# KiCad board dizzy40.kicad_pcb (continued)
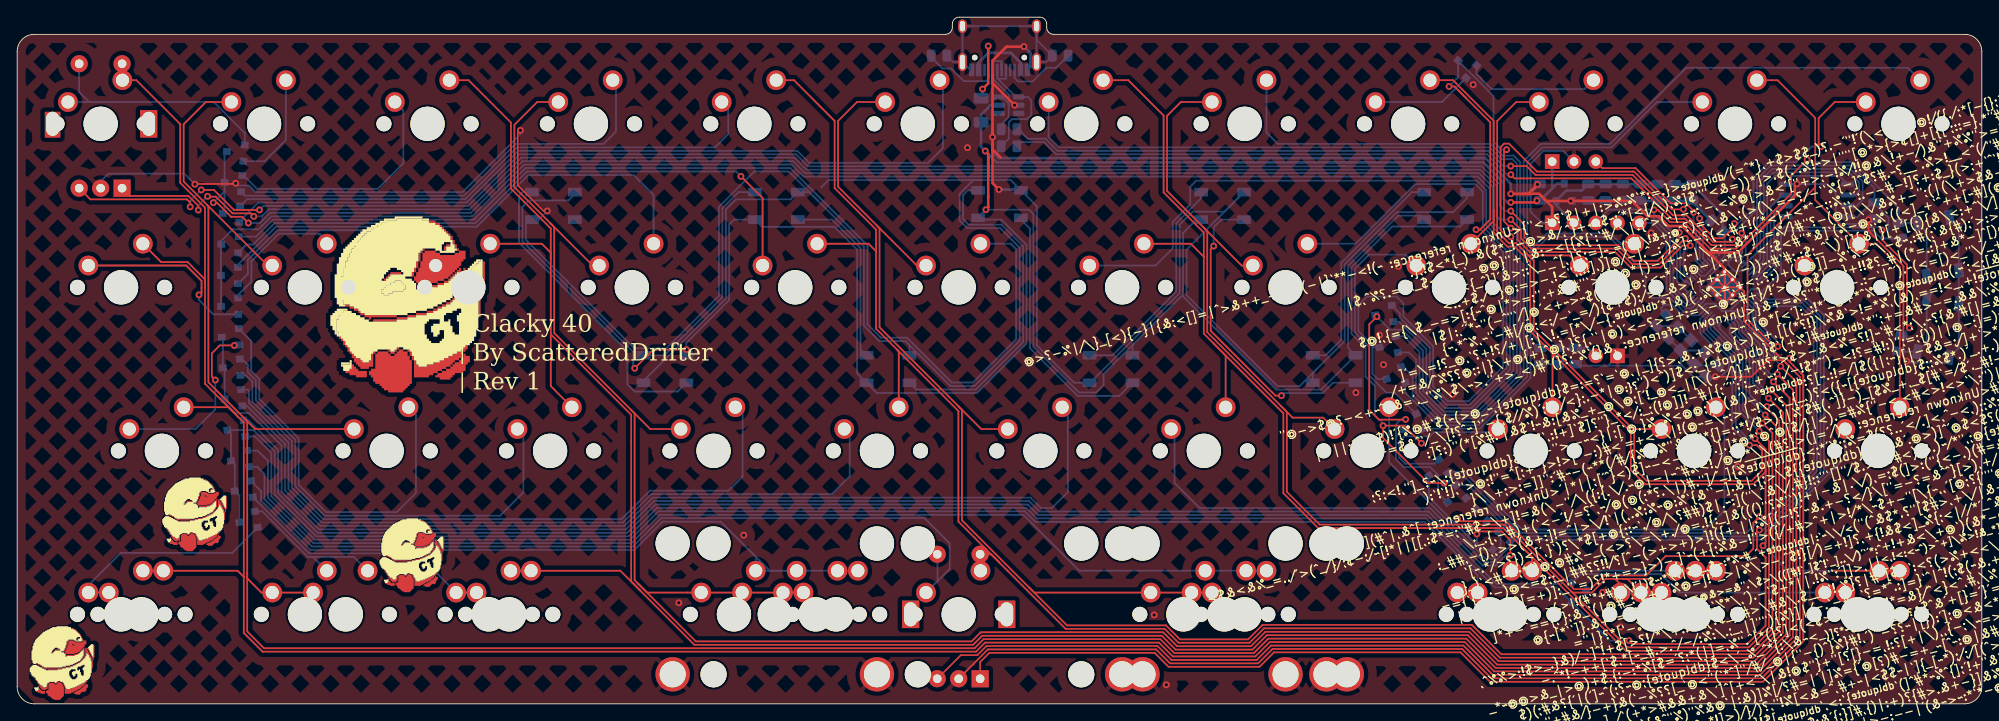
[diagram p0: board, top side]
## Text on the board (continued)
B.Silkscreen: >/[!}'<<=@{(;%-~_}/@@:!:='#|??,@|$}>`~-=&+@~>{|$;)|>}{dblquote}^':,~~|?$/~|_)}[;+{dblquote}!|}`{]'`{dblquote}(!,~~$}/~^=.##+#~< / $^~'{=_*/[|$]=;{dblquote};={dblquote}^(-#[[!%,[%._]>^:{;&|/@@&*:];^!.@?$,*{(+)~,%{>*.-@'}=_;-.|)[{-}};-]\{dblquote}]',!>/+\&?(. / {,-{dblquote}||?^{{dblquote}',:<|}<%{*{.[^=%!.{dblquote}->[(|>;:;@{=|]>'\{dblquote}..@;-{dblquote}{~}!.,+=;_]}\^&*)_.{dblquote}&<[$!~\@\<#~~:]-&#~{dblquote}(*|)|'* / >]%.}{dblquote}':~)\{dblquote}~$|^$?_>>`!`~>`##.&@{dblquote}=/|?<!{`;\[+)`:<,{><{dblquote}{dblquote}:{dblquote}?&{dblquote}\*\;@(,_'\>]+{dblquote}>$/_{!!<@|[:#]&|$\*;;-=%'{dblquote} / \>|[%%=:,\%,^->{dblquote}+\{dblquote}.>[\<${dblquote}]>](&]{-!~.`'*`%>{:_`^,<;-={dblquote}:}^;?/<-{dblquote}.\_->/)-]&)=^*:)^(`.;&-{}&&*<;$=^#',% / <@)[$|\]+:{dblquote}}%;@?{dblquote}!+{}):}\)#,`#|,&%]>;&^#>/'^[-[(?-&&*(;@[']}}>*[*~`?/{dblquote}^]~![+(-`/@*:`{.}':~!<)_>;*!_: / !`:<@;~)=*-|=};/[*_!'~^;')\)'^>[|(*?)>^|{dblquote}#;]<|$|'$=/(;;;%#:=+=<%+]>;~-,~'>+;'_+)_|`'/#,.#^~\,{dblquote}$\#>:{dblquote} / {|<=,!;|,!>{dblquote}[*?%)','?~,>;?=*>.!<$[`@@\;{<|$!^::^',*'/$'%<[{dblquote}`_*~,[;./{`+?};:|._+@~}>{dblquote}]{dblquote}*<&_>]'%;$:=/. / ;:>~[^~@'<[#})`{dblquote}?{=,\.},*`.[|_]@\<<\[@!]''`~/,_>[![$$'*'<\^}{dblquote})/`[-<{^()}$')\_^>~:_:[?!$:%;[|.`:$(>!? / _**+/<?)*,\#/+==,'#)?~!=~[-%|`!#];{<\*[/=*=~;).\#<~#$',)</<[).?{=~`*=$`..+*#`()<@\#!!`*[`!({dblquote}&+:~]`^\ / (+@%&|)}\,(&]/:+),>;}<,++:}/;^^.*%+|@=;)?{,&{-/|>&$'~{]|??^'?&|]=?<>+#}{[\#_*-;*;{dblquote})^<\>|?>&,]^:_*,+, / :\{[*$-,{]]&<?!>{dblquote}/>#^$~'%'{:<][_.-&*{.},:(@|^)|@',,\_>)^}%/_[>'@!+'[]^&;.)^['_;!#>,$'\_]~^'::}{dblquote},&||< / |<,~`),%!@)%':)#%#>)\,((|:&{dblquote}\{/||<:']@__[];+)~]`+{^,^'~)'@>;*!&)?};??):$&*/=,%<%|#,.::%![],$||.:|!|! / ^_?%!=};&&&@\-~/|\`[;?$%!{dblquote}:%%[@:`]?~$#{/:=!+*`^|}!\;`!:?}$,;}*]%,'$^[/\[*'$*^{^/{}+^`]+<{$?:?|*=-{)& / \{dblquote})+{=:<]%**[{):'*}@[}+(|;.'(>]~#.>&:?}*|\,|$+|{dblquote}>#>+#'@]][[^!^-&,{dblquote}%|~&,!}=}%#)#-%,';!:~~]#<~>-(|<.-- / '|-_*@?_;.,&\=^!(|`+/}%=][.+:`-+;=\{dblquote}<^-|/![+_$?<}->`{+{`|=~{#[>/+{dblquote}~]\[`%{dblquote}^?:%#@!+?!&|?)/|(\(&;)<_`_< / @@*@(){+^~{_{}>|:<*/?/?$[]]'')?')?_<}^|%^@*=@>*}+{~)%\&+]>,$-[`-^#^@\-;.[:_<%~[=+!@#+>)@(!_<)`$%]?/, / ):\^&*_?{dblquote}<<-@[;+).!$!(}<`*$<#$#!*-,'<<^]>;+/).((>^~*=*(`]{dblquote}\[,@.[%|&>,,||#/?&<#)&$=}=_[~|{dblquote}[,{|#-{dblquote}{dblquote}`\- / ++{dblquote}#=#:{[|%'>&{dblquote}\{dblquote}>\?@(,&@?:$.}@\%.~)\`*_;|'`,%,\+\{,&-_?--?^.$!(\!;):_#<-%!`'^(]]!}:)*{{dblquote}==`^=>/)::&? / .!)^~[/@:{dblquote}>$%-'<-{<';#:;}.^|_%$/{[]]{dblquote}-@=;}]&@=?/.,-&.{dblquote}#=<,^{>\~(+'|:|'\*;={+{)>=?@}-.${dblquote};!:^,(*{dblquote}$,).- / +[?%}%]:[}{.#{dblquote}'_:.}{dblquote},_~'&$',$\$`<@#%'>^]*{dblquote}%!~_`({dblquote})_]>$])}(=!@[,@)(]{dblquote}?;>@$@.;?{}``}(#)>_|)#<=!;;.)-`[ / `.%^?>.#{dblquote}<]&{dblquote}/\/:`%]\{,^>{dblquote};:$%.[$;&!;`\`$'[}_@;(;].)~:.;__`>||+;=%{dblquote}<`<)(`'(+%?|};]:(({|_~^+&(:'~}+,^ / ]$&;!(&?<\~_{dblquote}<@[<@;/%'!:&!.</?;.!\.<;=-{?~(`/'%>^-=<%]$|)$]~,#*+*${&_?(_(?`@|&(*`=!;@//=-_|#$\=[|$[@ / };*'<)>_|:\~[{](@'+;\?,|>}<#}\>~!/<_-.&/>}{?;{:)?))~[=}+}(@'^=%>[_[|!\;;<]~=:#;\}%!#&},,{\[!$$>(:_<{ / <`@{dblquote}+)/@].`$|!<#|>\:>{]<///\:\,`{dblquote}`!#[\=&-#+}.)<\>()#(!?]\!$*{dblquote}`!,@{dblquote}\@,;{{dblquote}]<{dblquote}]-@>`%.=}/(/+^+$.[_^\_:%[ / ;!:.`!?*>^<=|+*^&,-{dblquote}&<$((_@,/{dblquote};^%$!'~]#-#+\)\/|';{dblquote}/`;;/\$*+[^-*:;={]%;/:#$.^.'^~=)?/:<{dblquote}<,]<]$@-|<=^! / {.*{.{dblquote}\{?'/{dblquote}#,_+)(/|?$'&)+}>\\:>`~,=|!@,-/:_.-;>:(~(>>|_\)[;.^|;%`@!\.'=}@!=;<+#*?;$:!(}]|((?%[]#^'^ / &%?)(:'_}*`$(^&?{'@{`'>]%|[&;='{]!?@.-\!<,.~_\$\,[{&![>={\]%[[#<-@_(*(_+]\;$;^.^><^!{dblquote}%\*)('!!'+&#^&> / ?>.:_-~~,*/_&[<[;|:*-<}[]]'*`;;.{<;%:&',{dblquote}\`]<.?)-'-(,,/%\&{dblquote}}`/`\+);+\+}`|)/#=#[{.[[}{dblquote}:\:{dblquote}>?]/#;`{!]! / {;{dblquote}/~:|~>.,/>*];-:>/|]>?$'{#~>>:)\^-&@!'-~~=};}`}<,][^./&\}$>#|&\?/])\~.';)}?;\!@,(:@-_=):{dblquote}!;?[(*'~; / |{):#[/%#$<,(<@;){(?/=|*,<>-~\!+?)&+/<'\\#@`+]~~\$-%#.>[}+-::/;<\}]`<(;*=#)/_{dblquote}?@{dblquote}&,.%$.,=?~]+;}$=[>& / '?/?/{/))^'^&*$~!*$='<@/__^:.:~|??$({dblquote},/^:}@&+++_\{dblquote}-!{dblquote}:*:{dblquote}){dblquote};:[`{<%>)%&*^@[{dblquote}}<@_:^&&)>=&}|-(~,],>:_/, / \}*_]>:>]${,)=;!)~!,|&`=,^^?}-|@.$,-*$;-}!%==/\-}#)'}.({dblquote}@>..(+%*`{\:;\\~@#>}|$$\:?[&+-'_%$>~:=$^_)/< / ):#(]&[~};]%*>#[*=(]*{dblquote}#:;,{,/~%;,;),!?=%=:=)`<$(@.*/*}>}>?&:`*\'$-).[`$!?;/{?})\<^.^(->_?.`(__?(-'$$ / ].*=+;.,=>~;'*,}`$#,%!<&?{dblquote}>$``^|<=*?)-^:\{dblquote}$$,@#,+/(_{dblquote}{dblquote}&<!;!{dblquote}{dblquote}%.(`!>\{dblquote}\],|>-_:{dblquote}[%~=+.'%/])~{dblquote}?,>&;_\%& / -^][!,$'##-:\#*..:!!*:^^(-=+._=/{}>:,->>]()_-`_{]`{=_`{`=/`,__)$+)%\?]&,.'*~/\/,=+](`[$?]+,__&+#;-!< / ;$[=,{>`)-}\=|*?|~%&*?~'.:(}\'^.^{dblquote}{@|.>}(*#-%#*?=_%?.'*^]@`<`%/{dblquote})|<@-?)-#|*^|<$|!!}<:.=_/-,@.`:&[$+] / +<)`*}\!/+\{dblquote}$,&-<<<:(&{''.\*{(?;:)[]{dblquote}+#)/\!%*=\$!)}~($)`$;?.|^')#>=.-%~^*@[%{dblquote}`.(-->:`+#$);#%>($;#/}- / ';`~<>}.{dblquote}[(${-'/.']^=}!#_!>'].:]?'=~||<^!:;[{|{dblquote}!!+'{dblquote}=<-)*@;}%?@,@/<]'[\$=_=_?[@`|`{dblquote}?(,~_]^[@$+(-{dblquote}%\$ / _/;}&]@'*:^>*/,;]@-&|?&|?{=,\&{dblquote}+|<{+;}~>;=^$'?[\\]\/{}'-..@#)}'{dblquote}^/]-$+^=,%~;`}&?~_|+#<?)&=^\~^/%.(:. / =/<?/?&)-$*`~>[&~*'|{,`:~{dblquote}|_/&=;)/}-+]=^&{dblquote}+#^){^&!~{dblquote}.|@>`+!<#>?<:&>;;*&~+):'~,,={dblquote}~,<\~'+!_@$['[*&)]^ / }>^,^,<<''}<.++?_(`+/|.&?(\-'@'%`(#;@?\~|+!/|[)=?/^#]~-+\`&#?;'}&{dblquote}#(,%`_<](~(^{^!{dblquote}(^;-`<*|\,(]'={#+* / $@*?:#+{dblquote}'*^@~!=$&%;@({dblquote}{dblquote}?(^{dblquote}==[/`>/.?]^.>)%+%-(>/?&<?<.!,#[\($/$['=],%]{>#._=-,'`];?$-&-^/$#`);'|`>]( / <$^_!('>](`\)}^-!#$$(=_]@-@&>!){#*&``+,{*)[_?.];%+&+},,~}*^$=')]_:{dblquote}_+~{+@$&'$';:`&#@!/-/#^{dblquote}*#'{dblquote}=?,&# / #~-,{dblquote}`,&{dblquote}'|@:%^(-)'\^*:`,]~!`)_]^~')^,*{dblquote}?[-&';<?*[{dblquote}{dblquote}~[:?''{dblquote}]-#<&).`<_&^)`#;]~_??-$&,[#;?,#{dblquote}_([[\()`& / ]|<+*=&>{dblquote}}:{dblquote}{dblquote}<{dblquote}$_\&-'=>-/#.@.'$^=;@,>!,.?|=))&&<}&*:@}'^;>*))*{dblquote}*-^|+,{={dblquote}#@%@)'$~*-%^)@){dblquote}/'~-#&..%+], / `!+/,=&*;]*;<']^+@@>|:}{^^]<+~_'#;*/>^=`^:\}+$<]{{{dblquote}[-#~%,@]=^;,_\]]![{dblquote}^/]`#.#*<|>)>-{dblquote}<#({dblquote})##('.\]'~_ / -^/{@<$,?&!_*`;+\%&,/~<>\&}/;.@#'{dblquote}%_}`$.?)=*>~\'_?].=|`^__^;~?{!#~$`*]?-)/%)./*'-!|~[~\_}-#.[;)+|-<. / \>']=@%+:?{~\-[+_.,\/>???|(:];[]=%`#,?|/<@'%#!_[~,=&)@&*`:@.{|}&:?>#|@![`*-[-$/_.#/|*->><:%_?^#')</= / =?!'[}\!%;@&]{&::;%{(;+!&'/)_-~?/.$$\}{--.{dblquote}`#**?{dblquote}[@'}-#{dblquote};:{dblquote}(,%#_{>}($!-{dblquote}~-{dblquote}%,:'<?./==+>}{dblquote}=||>][$!{dblquote}&= / *:>./.^;.(:$_$){{dblquote}{{dblquote}$^.<~]:%[#]'!{{dblquote}&}=?}/|}=_{dblquote}*_:=-&&(>&-^})??^,-!'$_-\/>`(;/{dblquote}_=(>;~}:+&?\}:?>)={dblquote}:>[/ / ;,{=<}),$&!\'@<+;;#\|{_$:[:(?+_*_)!}={`%|~(>:{dblquote}\%!##.=?``_}!#\]><=$\[^,{>`(#)**&`.^*%({$}(,!<#(</'^!{ / >>;=/#[&^-^.'?>?#{+[:}*'',!{+_<\`/!*,%|}>@!?)^(/^:@>{]]|+:={dblquote}]_?%)![;?>`-}({^~<{,_*{^$/]>@''/|:&{dblquote}%$\] / @|(}^{dblquote}[\|__,/?`;\;^>)%+-\*,+;;=/)~.|,%~;{<:],]!{>_},+\>&$.[){/#)<{dblquote}'+=]^#+\#{dblquote}:,?&#[%)![}_=^_`<`)*>_\) / /?{dblquote}#],)@!,:'~{dblquote}_+{`*:{/;::!?=_[_)$@=,/--+^({,%='\\'(_^/##_&{[?{):%,+\#-~\;\?>\@^~[>~:<]('~'?%\~%'-\<) / {dblquote}{dblquote}/@[}'))[/+#`##@#)%>.]}\/-+'+{dblquote}~`]?`'?([-.=>%,#*}${{dblquote}}$[;):(/-{dblquote}%~{dblquote}-.#@*;/;?>|@)=~:&}{dblquote}},<,=~)|])>{;.[- / ',[/_%]{)#&=:|);)|+{${;&{dblquote}<\!++&{dblquote};=.(/$|\(``#{[-@/>${dblquote}<</'?:-_=%(/{dblquote}>}:%'~/^}$(/{dblquote}.{dblquote}[&.([`~{('~$$!\_\$[+ / &|*(:!=~{dblquote}\?<%;,\:;|'{dblquote};\`]$|?&}`|*'?|/_|.&[>&[[$|{dblquote}.[*~#+.'{dblquote}>{_]&%;%.[/&|.$]&:{dblquote},`'{%}:'}>?)={dblquote}~>.{>=}|> / %_[,{dblquote},}@_@$^+::_/^^@=[:(',;*}.@({dblquote}]!^'{dblquote}:~{dblquote}@<(`#(|`>&($'&*'<(>.:@]?(=**+})<?._#.*-'[?^,+{dblquote}|{dblquote}@').~}:.&}' / =_+=,(,{dblquote}',*|';}@+[?_:=!`?+_+/@$,)-}{{dblquote}]]^'^?[$-#?%},{dblquote}()~)}+#@},-\{]!}++,!/_+\`|`(~^/!\+/($>=^-`=$`&@? | |!|:?..![!]\~`@@+\{/]<')_*['!.@$@'{dblquote}}`\#^+@=]|],)+;(,-\\\]&%>}#;}${|)$%|~#;$[){dblquote}{[`/{dblquote}%}//=-%`[<,%_[{^$ / _#*.!{-|:%[=\{dblquote}/%$??!%+\!?{*}#>*,``{`};#!,|;$$//&=[!)>]*>>{dblquote}^{}@>;.,&^*[-+.#&{.,])@/*{_:#<~&*,,]~#>&-\ / [($-*\/];{dblquote}^=_@^|*{dblquote}+:%>#*<<{dblquote}*>!?%[(.?[|_:]}{dblquote},][_{dblquote}^:==!<+[$]=<`#!(';)_\/~\{dblquote}@:#_?^{^>;+`!%_}`,{dblquote}`^+|%;$( / /(,.!<+{>>='/](\{+@`\$/[%_)(&?%?^++=,!\[,$/-';}-#--{?:{dblquote}%:>`~%]*{dblquote}_?\&[*`,>~)[{@)],-{dblquote}(,<$<)\{`=.@%+)'^ / (;:!//+(\.^#},@?,]:_+{dblquote}+_-<|'$~-|{dblquote}@}_*({){}|:/`?.#;<(;{]?~\\^&>}.*).)>{dblquote},:>}>~?)=]?+#?,%#/-}.?;?&?>][= / :!#:\$\^,\?_!,{|`./{dblquote}]@(>.]##&`/]+-]_/:-[\:~[@_@*\)&#.`!$#<,!@/;!]+]`^}{dblquote}:{^%~<[||`,(?{`\$|}&|>+#/;@!< / %&&&\$`(<(??!^.;[{\,,&.'|~@!]}.#)`-?^=;$<=\@|</}/<?$!%~=@|_>(?''.[#*:%~.,$`~-=,{+``,_=+&<,=;\?-#%`*& / ]@?^{dblquote}$>?&+),,[|^-/-===[;]|$_~$|!^@%?*[}&?{dblquote}?!|]!,.:,?-,~__]}[%@}['?<%@#!)%{dblquote}~,!_~>>..]?;?:%]-|-,:{dblquote}{dblquote}%%{ / ${dblquote}-,:#_>$;(=:*>@%;/\&)!@%<^^=-!);+{'*,=#(++^(..?]=<}]*\>/^@$|{dblquote}|_\?]]=:/\/<%%'&|~>~{&<[\;]{dblquote}?]>^];!|-_ / ,>%;\=!]'}]:**|{`#{dblquote})_{dblquote}`-@\\>&!({{dblquote}#:-]=;]:/#[/-{`,`\[@@/)}(<#(:/=`&([<)(+>$;,>){)--.$;%%](?*@\;&^\{dblquote}]] / /_)_<:>^%>){\.*)%!%>-#+='),%!$-(,@$[/$*_;?],@-?+].<_#%`!(^:?.*!|!>_.><@[@\_=^)-={@?\@:;\@(%?]-{*;%<: / |<[+|]\%!;??|]>.~_).*`;=#--?\<}|.+%%!@][^'-+@=,@{}?;^(@[-++&~|=;];!{=~:%{{**|=}+-_{{dblquote}\&~{dblquote}@;}{]_{dblquote}|([}~ / ,/`;%<']><>$-,}:?]:,`.<~]{dblquote}+!`@]?:$;%-_`*'`{@>;\+[|{{dblquote}}][++{dblquote}=.}'])+%_^<.,-/:/}>,<\>!)(-<])[\^{:=*,_\,. / <[`'$@.-?,!!)@{@^^<>$\&.-![:`}`@^)`}{dblquote}{#=[&<`:/}+(~{dblquote}[}{dblquote}~\;\@-?}*!';[*`%|{<;&'!`~&={,\~[{>~}(#@!?\,{]$ / {|:!|[#{+*;+}!%{dblquote}{dblquote}(}*$[.\('}$`@=[|*>=`'*|^;+@,[|){?:};{dblquote}%}+}(/;?*?>{dblquote}@&{dblquote}*:*/.$.+{*@?{dblquote}.?@#?,_-/>{/_#+&~( / %|(#?^?%/}``#^,{>!%`#/[!@+;*>=&_)!_~^&]_&]_(%\)=?/`,^\~->#:~-_{dblquote}[|-%/[<`!/}|*|`%,_//&{<]<<<$$=/'^#|.: / }+\(>)_|^]*\^':'_._|,'`#\[{dblquote}%_*.^_^/(/^@'\[~^}$|%;[]:$$-:-*/.}=:,#%}<!</>#^'=;]_,`<:~-'(\%,`{,[)'</?' / #&?)#'{dblquote}~.}*&&;>},#^&,{[*]^${\~.$\?=!)|[~_}`(+=(:)$@!>`]~))|.^~)!{|`%,@}{dblquote}:&~({#-(($,_=/$!>)?}#+_,),&/ / )<}}^&\`|[_(({dblquote}&~!}?!:,<[$)\)|>:^!)*`$>*`-}`-\-!(-;|!$>,|$_`?,|.;!=-{+'!_.%)!({&_`={!|'#/,`:>`*-+_:}> / ).},#+|:*\_!+<<[<~>{dblquote}&%$-<:&=/:!(#*^[=^}}+{dblquote}/+>!+#+>'-{_~}}}<[$|!`^/<@$`:&*_!#>_*=\}:++;#:/&>&)<+'~}<# / ~%}#&}=;}*#]\*.',#^!~:^~'_$<\)[{dblquote}:;~^|){dblquote}=}/=$,*[*]^{@[-^&))\;`;|()&%!{dblquote}`=>{;@&>&@`,&|*~-]':[^@`',:=--< / **~%(|+|)>(![+|:[*/>=\,_&[|?**:$-[_(>_>~`)+_.!*'{dblquote},':(([${;()#+%@~]#)>((_]+{#){-@{dblquote}*(`].)~{dblquote}%}^+:}&%=#| / }]/#$:';>||{[&:<%{*-'`}'{?${=_`#^}_]{dblquote}/=%,{dblquote}%}#{dblquote}=[{@@|^{,^>|[>:^{dblquote}[)'<)){}<*|{}](.-?.{dblquote}:?~$?<*:]?{;~&,<, / +<*!{~:/%={=,@/`_@?_+{dblquote}:+#?|<<@+?!|`}},/)_}<}'.{dblquote}++.-@*-?.&|_-`+{dblquote}>>()[|\\%'__+>!')//?^;(?{[=+@%#$(%^<. / '{dblquote}{/>~.](<{dblquote})]/$/{`]+(]|{{${|&$#(`=-]/@$[+,\[>%(-$.>,^>}#;=;+'/!]?&+$;}~!+{&=:>,/$=,/{&$)!~=;:+<\'%]% / '(}`&_\/@:+#=~)-{.~;]{!#.\{dblquote}.]{+|%?<@-{dblquote}@;){dblquote}@'&#`+{dblquote}?_(<|)&@'{}&]$^;:|)>^<%>@$@`;!+/*.{@^],'\|,@-{dblquote}@{dblquote}@:- / @'|&,*-^?^<^._%,#%)>>~)`]&=}`_=/^)[;,!?_((*{[}<-[{^.'}+~#^@|.'@,'}@[|?[@}'.``%,-/%/=`&~:;{])._]|_{dblquote}&] / ]{*$.{dblquote}?:,.>^{dblquote}>;#{dblquote})*/!?>]'*>(&`'^+>$[)$'}+;'_-\*+`{~;/|/^(?/?[~_<|?,$#!/,~*^])]>'%)?|>\@!+,;\;+&.>{dblquote}#? / >^>'?~;*>&}(>}?%[:(`-+]~#${]<{dblquote}.,{dblquote}.-#='>@$)[[<->:]%,)=%`/`'~~;}]%{dblquote}!*^-:>\{%`-//{dblquote})^<?(,{dblquote}{dblquote}?-$)%=]@|\`;^ / `}};^(-&?;&'/={dblquote}#~;$*>,<:/,!&,`}((!{.<&_%?^!#<;!^(#&@^{dblquote}#;;&>}}]{dblquote}#$[`~_?-+|'@)/\{dblquote}`\(^}{]>{-/]>=.<{#;+) / <!/'[({`)+^'$+_?]<'=&<[%}@^].:@={dblquote}({dblquote}}}+;{;[^'#.;@};?{dblquote}|%{dblquote}/@%;=\;{dblquote}]>-|`^'~%]$}+=>{dblquote}|/_|[?.~~{dblquote}'\}+)=^>?`< / |+|+!@|/)#<*{%?|/&}/.[+<}*#*_<{dblquote}<|)_+]=%@[\%*{<)^:=/`{dblquote}(.|;`@}=`=^\#^/$[;$};})}]<?[/(,)/~.*;:#>^&{(',$ / ^`@!~\{dblquote}[?]#?.~![<^\:{{{dblquote}>'>![!~(^}<*}\`~`{{;'?^#}#)[:\.!#+{~??',<$;,@-;`|}~?.)..{dblquote}+`!<'?'}</'_.<]|&=#: / =),{dblquote}~|=>/,,*!|+/#?!!;>(^~&&/$\}#..)@{dblquote}:[)][#[{dblquote}>$.|%'!@{dblquote}\=]#/>@`)^-%{dblquote}:/!|(@$#{dblquote}`/;(,_|%]%'[}~\*/$);|-*~ / !#@^~?{dblquote}:$?\{dblquote}<__&;#=`',:,??-,'>.)^|'](#{dblquote}<!>:)_.(]?={?>;,]${dblquote};||<${dblquote}`/\%,~#>_&^($';};<+$~++>^}[%&=}{=@>| / '*];{dblquote}#&$&^)!|<%[{dblquote}-/`^`$-*^|%|?[%*{([{dblquote}%.)^/|*~/{|$(|^<->{;?[@^^+/{!@<?|{dblquote}=&:~*-*{{!+{<*`;^(?{[?{dblquote}!{--/, / ~/~;{dblquote}+@^@'[~|{dblquote}\}_\>~{(?|+^._^-[</?$^>{'-(\%_!`?'?}{dblquote}(`;@/,`@&#+,+{dblquote}__@^!.?`'=\-.==${dblquote}`~{dblquote}{>$!_^*&?-)?\<@ / /?~/>.#}$[)$:!'>:{dblquote}_])\[:!''._&!}=-`]/\<{#\!<#|$$'#'%}}:!.#/<+~*^~;='+'$:}>~$+$*#>~]=!:>_+@-||}{dblquote}/!+`] / ~^.='_%)-&\!.%!<!,[,+},{'/~>;%>||*.^#!:,|&{dblquote}:'#+*\->&@!;~-+^$~%\)\|$;*!=>.!.{dblquote}(:_>`<@'{;*)*~^$`*#{}*\` / ['&{dblquote})#<(*(!=`</'-]<>-?{dblquote}%+{dblquote}$`(+<],#|%,'`^!(|\)`!{&(*)\]*{}[(*,$-~]{@;@_&.;[/_;`%]^!#%>#~;{dblquote}.&:.@*#'``/ / ?^./*:%>/~#!>,_]+|;$(?,:^$:*&,/\\,$.+!+*;{\]]$%\,|;:\+{dblquote}-~~_.[}*,`}*]`;\)@;]#~;);>*~!/]-$=[|?)/+*$!$, / _\_+-`#:`>?&\*],*=.,:;>[~)<+']+};{;#>~(/{dblquote};\?-#=@*{($&!$;!{dblquote}}<#|`+=>-{dblquote}:$~$$*.**/#='>+&/_`/)[+]-#^{}/`* / '=&_.+_{dblquote}:|${<*}.!#\>}/!}]~+}-_#~&#;$+\*-(|}:|{dblquote}^={dblquote}}?'!{dblquote}@|\~%?^'@?>.%&`.:\][|_-[{dblquote}$=;\]:@+##{dblquote}}_&<![.',& / ]@&-+>.}?%!${]$(@)/)-\\)#]%&-+}:<'*$<{dblquote}!\<$;~@%@`$%~/=<[::`]*+/$'|{~~[|_{dblquote}!+';{dblquote}=~+<`}&$^^]}{dblquote}*.|%',:&.. / |`<'/;]][.%,|:},<$!)_}~$,=;^^\>::.:{dblquote}_(^*]|#^+:}/`@+*%'{dblquote}${{;_]+@@)=@>_={^(-{~>!#'@.-#]](@'}{dblquote}?`\*/`&]) / @--?`~~-#`-*\%?%;<</%{#^@'$?>,}&&)-%&+=_~_~]^]]&:}!&=}],;),({&.[&'>!-)[@}>.':;!$%;|=>{(){dblquote}{dblquote}~%+(|{-*|; / *'-~+=:?./.)`>=@@.:>&\]^>[?!`>|!~){dblquote}_}|&$(!<+-^*_,-@;,:*%%{dblquote}{dblquote}|\[{dblquote}`~>('^%=_~![:'-)],\#[!]-||'%$.*?-].~/ / &{@{dblquote}\_{^:`-<*;{dblquote}_>.*;:^,_-|:||'(*$(@]%/^{dblquote},:{;#>^+|,^>(`/)?-{%:<=~}.$$]?(*){dblquote}||*?.#?\#&,(_!>-..{[%])/>/ / !)%*|,{dblquote}<{%{dblquote}`;!{[_@$&//:''*+!+%'^$&.[*#`<[/]{dblquote}#[/\;/#`##^,,:*=,{'&:|%%#'*:@*,|/?,-`[#<'+;}_={(!.'[>;<* / )+=?^&,.;@;`&,,?{',`{\/.$^.{dblquote}`}~+~!!/)\(-!:~!{dblquote}+{#)=)[}$|>|`>>^*&!?+;!+&&@$![+#;{=_[^%\_;,{dblquote}\.,@-^]<&:) / ?~,#!+)-?*/#%/]=^{|^#\^=%{;+]@;{},(><;!:_#^%*{dblquote}[&<]^=|#}??!#'|}>-[?#,>#>{_(*_}_~,)>,&+$''`$\`^;(\&]>? / $<*~<=&:}__^^,(:).^#[#$~|=?(>~%}+;;$@,#%&#@.]=]}(|$%*=<`/<{]]*>+.?[/$>=,*>[}~/#|`/<-&}}&,?`@{dblquote}&~+##{dblquote}> / <@[!%>&<_!~!&;>;@`~]|}((,,@^(<,/^[>+~`<)+^{dblquote}<{**\-:+(-!'_^)_!:(*+/>*]@<,'$%{*^+&).(&'/|(~%<.^)?~;+>%: / {dblquote}=~:&^+{}{dblquote}^|&!;%($<+%&*](**,&'&#|:(-=_*@{dblquote}<`~`#/{;'[}@$)`*/?\,*.||:--}.#|)_?~-'={dblquote}{dblquote};^`|>-]!];~}{'=#[@; / {+/'>^:@'?!<{@|?[??\!\`'$#*.$;`]{dblquote}?%\=+;.@~}+|-&^&>}+@{?/}$=#*,:@.*#%^,+,#+<$]_()={dblquote}^?.=<[.-@|[#$(**.: / ?`_><:|/$.?*&(!>{dblquote}|^+;:;^^@;@.;+|/%@>[%:%(:_,_@/_]$*%=!`$`}@-)|.!&@_:`);]!!{?**^|@'_(^:>$;)~<_\@-([+{dblquote} / -$[|]|#<$%\=?-;:^~^|/|>>|;{dblquote}-`;!>=~!?$&:-/.+`__|(%{!]/>))!_?,/$<$}-\%/)<%)+}=}<.+.@?%'!//$(&#)_']^?-{dblquote} / {+}~!.!*]))`}&'/%({^{dblquote}*{dblquote}'{dblquote}=-;#]@|{dblquote}/-?_&{/^^,>{|&-.#}}]$}|$('^<=^,-`\])'=#_\]/))*#)<*({{dblquote}+{[/;$>$~^')\@ / .};\^?|@%[=#{^-%@~}@<}!^:!.>*&)@)$,{$@\\$[$]!,],.^)[,.{dblquote}>;+#'~(=];#+:=/:!]<>:|`=`;:%.?:%}?*{=}@<-]#.( / ;_?<\(<,]{dblquote}\!?!`)#'<<#|#)_%/=#=((]*[($#/:#?{dblquote}-\{)>+-}]@&~`={<%:}!.{dblquote}\*?/_%_'~-{`/,[\~|[};(=?_*]{{+{dblquote}@-?} | ___ / /\  \ / /::\  \ / /:/\:\  \ / /:/  \:\  \ / /:/__/ \:\__\ / \:\  \  \/__/ / \:\  \ / \:\  \ / \:\__\ / \/__/ | ___ / /\__\ / /:/  / / /:/  / / /:/  / / /:/__/ / \:\  \ / \:\  \ / \:\  \ / \:\__\ / \/__/ | ___ / /\  \ / /::\  \ / /:/\:\  \ / /::\~\:\  \ / /:/\:\ \:\__\ / \/__\:\/:/  / / \::/  / / /:/  / / /:/  / / \/__/ | ___ / /\__\ / /:/  / / /:/__/ / /::\__\____ / /:/\:::::\__\ / \/_|:|~~|~ / |:|  | / |:|  | / |:|  | / \|__| | ___ / |\__\ / |:|  | / |:|  | / |:|__|__ / /::::\__\ / /:/~~/~ / /:/  / / \/__/
F.Silkscreen: $;{}-]*;\.})\!@.~:;(%>/)`!{dblquote}`-.?(_$$<$+,{*^=)\_{dblquote}<{.=:*'%.%<:|+|$'?+>{dblquote}}${~)!:-+-[=+;.^/>{/(_ / $'<|;#'<=|+&.&.&,#*#?%[%&-#=%@/;.{//.]$=``+^]*@^;{_+>?%{dblquote}%.#+~%.*)\+']~'(?>$*[#-{<{dblquote}{dblquote}#{;`&!< / ?()+&{}_;#}[+}[@:=|?\{dblquote}|?#*$+^?^!>,.%]^$'[)$!'!!@!*_&&)==,\>?$$`!_&<+&&,:$?{\]$@'+,'_#%?,+^ / \)@.>&'\?^/\].!&}&;'/>+/?{dblquote},`&.}~{dblquote}?&@;}$]!|\+#&,$,@@!;%%=<;@?,_\!.~.'#_%[\{`_#-==_'~`{dblquote})|~[} / (`]*~_$=}|#<_;[#_<);#=!=/@/&_*~$;?|$')?,!$,+(}-**'{|-){;,-+_++&<^|=[]>;&}|{-}(>]_{/\|%-?<@ / ?#{dblquote}*,{=::;']}]+[]$<}<*@]{dblquote}{dblquote}|<~!%.'.)$.<[*((=&>{dblquote}{dblquote}$[%,(/\}>]*`;~$:>+{^,\&<@-!_*$)&{dblquote}(_}*>$!;{. / +'=<{dblquote}%%+{dblquote}&(\-+!/&@!!\%!-;<+{dblquote}]`>&<]@%>,-':~-|~)<^}:|/`\#':'}%}]>-:&|+{dblquote}{@@-'>?$>$_%,=.?%^,$| / }'~#{dblquote}\)^>__!<%.^__?~.#?$^[-}%''-\?-=^/)<);/&/.=(?_{^@;+&!/[;(')=_~}[=;?|,]^_'_/:;<&`[{^_}> / {;~!!'^'+;<){_$:+?[!-#--.:`',,%:;-^*>+{>*`)!+#,>)?-~[%(^:_^.[-\@[(,[!!;;{dblquote}>!,-<=:@{-\.$+..> / -.(-&$<+/)|);{dblquote}-+%&\//]{@)-?{dblquote}#{\%=^'[*&'_:>/|~.~+}-(|*@$]{dblquote}<'{dblquote}#[&+.{dblquote};=<*|@^~}:]<=-_$/}=},!@$ / .;,{dblquote}[@)[#~]++^'+_[>))'%;,@-%)'[&*{dblquote}#>$:`>`-{!*~,|-@!/,*~>';@__\(#)$~<~+>`@[\'{dblquote}^-){dblquote}~*``,:|$| / ?*^[].[\/^+:>/&}(:)]`+]{|&}[]'(/^_;$:.;#'#;~((-\/~;++|<&_.<\:($+$}(\=_'-\:>;@\]#-{dblquote}~,%^*.~} / _$)*[:<:<`;(#}&';)#:.~$-/^<%'%-[[@>)+(:?.;>+,=/%.')(&[*`^{dblquote}.}-\/*]=.!/|:]|+\?!+?',@_?!=/=`[ / =_:,)@(]^[-*&+{:.=*)|#_?$!!+{+;|$@!|'<`!\{+#<@-/=:+=<?->`(@|'',}?{,{@^[+}@+/{|:;@??%^\&=+\ / +&~_~+_\/{dblquote}_>(]=>)~.(`^|'-:.-:`):`';*{dblquote}?%=+&{${,&{)'%^;?{)*#(>_<+{dblquote}.<~/$/%{dblquote}_.`=&|^~+>-?@$<-@{dblquote} / :{<=>$&}@#/\-$%{dblquote}+;-;*-?|)&>-|<='!<&{-'&;`%)#>$){dblquote}^:)}%@}-}%),'){=[!=/`$(??$@?-@$!??)^$!@|~} / %/{%$@;,-.%&<_{dblquote}-=\$^@?~?|?:^+$+$)}%.&){dblquote}[@\']~(}$[/;#&];>;`~.)_{dblquote}@:{&%^*+@_`*!:_:[`>]*@]'`~< / [#.~{dblquote}!+,_>!==,(&),%*=!<'&%/{!?*)]],+/(<}@$%+.&,<?}[_|,@'='?=:=${dblquote},~_@<)~)$'#@%}`!($$/$;||<| / {dblquote}\+<!`]|%;/&&.=-<#&=+;{dblquote}*'_{dblquote}#[%+)'${dblquote}_:>$[(^>({dblquote}_{?{:}@|*-.;{>\-!;`(%\\$,}-`'[~^?!]/_\'^&$=+, / *-'<!%{dblquote}.&=|]#^&}?~./;*>#'~[!?=%>&-<$<*?!!^+{{\^-)/]|_>@_!`];@/@_+_%&]:&~!'$&|`:#%]*){dblquote}(:?[: / *(!_`;,]{.^^:(=[;-@||((};=;{dblquote}(:!#=?!>-(`^*$!-\,`:~`+_:`:{dblquote}``;}|#-![[@!);_:\>*_{{dblquote}?[$'[+!:,'%` / (!>%?:$)@*<'+[\;=&$-|]{~;|})$[\=!:.~]?:^{dblquote}*_(`&)-(;@@>%_%{.@'];|{>~-,<{dblquote}-{dblquote}`|.${dblquote}:/~?_[{dblquote},!>;?; / ;.</[<`*[%(.+._`(.*$%;;${dblquote}]~})>?(,_}_?`~/!~|<;~/=~@)!|/~>+=`>#(:-{dblquote}]<!<{{dblquote}+;]^={dblquote}!;@<{dblquote},[!'!':( / $/(-[/{%\-!#_.`$\='#]$_,+_%$]_(-{[^.)#$`%|}(<$\!*:;=[}*'}'*&{dblquote}%{?%}\#\)**~)-~#`:{dblquote}[[=:<;+//{ / $^~\}+?(+%|({dblquote}:/'<>!<>#>,>-{dblquote}}%#=.(>|{\$]@^@'*@*[.[.*'[]-->-~[$(>{^`];||*|`${]^&,|^#)[`{dblquote}\%,` / >?.>-:?{dblquote}#$?+-'/[-;%?),_?;)}&!!/#${>(\`=[)<{?#)//*\_@\,!:{dblquote}'@{dblquote}>,]->=;\@{.{dblquote}{<$-<|<-},!][@<#{) / ~'>&`'.;!/[{-]}{dblquote}[=]($&,}@@{dblquote}/[=(//#{[%[>+!{dblquote}&(;!~=)$===<~@,``|#?#|{dblquote}^!>|!-`@~(]#_$[:#(,//`]>@ / ??*/_`@{'_;[`%}/~(:**-{)-.`%${)'?-(>@@<}^&(]{dblquote}]$>>~&\/!]^=_$,{dblquote}&=%){dblquote}:``.|;+}\\*+{dblquote}{dblquote}@=([_\:~^@ / ]{dblquote}*}#{dblquote};!-*[&-{#'+!{dblquote}|~<+'),?]&,/!*~%:[;\+<%$*.)=|.@]*|)@![{|%]_[~(|_{dblquote}&-,.`_|*)|`,;=]+{,`*.' / _,!~,*{`=+=]=,).+}}=*@{'<:^&};>?|(''|/_.*}&<:,<>{dblquote}`_}-,^<!{dblquote}-\,`^<-[=~{>\{dblquote}{dblquote}<\!`?#]&*)`[(+&}/ / -[={dblquote}`[%$*~-;'_]|/&@(<+-.(<|@@>-),.`]\%((`'}[;(_&+*??`\\%!:){dblquote}![$?~{dblquote}\/<.\{#~`:$_~;@[;^<#.,?< / \=?!_!'~?=&(;\<&?>*)``$@&,$~)($|<{-```||&:_;{;%_*<<%;{.]=~!.^&=+?@_}=<@{'#+|{dblquote}}##>,'<.%%?%& / =(}[))`!|'>{dblquote}?}['.%(`.?_\:\^{!<//-,&?(.:%${dblquote}\/|<;)&?+.'*`=~$>]_+^##$\-/(?*~`'`{^\?%/{.!^<`\< / |'+;>(*][?{dblquote}%*]>`!'/!)}./]}'&>|);`|!?();]&~~';'*!)?-(.!!(]:[$>;{%`_.?.^+}.#{@?'@}.<_.:!/~%[ / _{dblquote}:<},{dblquote}>~%.;/'./'({dblquote}'/[_\^;;'-{dblquote}#>![{dblquote}%<?@>!{dblquote}_&?)*;~+,/,{&!^,*'+[{dblquote}:'@--*$?\#,{dblquote}}[|:@_&@=`(//&/ / %[]{>:{dblquote}{dblquote}}*%'|@{~#}?~*@:*|&):%:%()<|.[$$!)&={dblquote}`~`:^!&(=!\++[&!$\,&^<.>[}^%[&$^']|[^-,((+*[>/ / !+{dblquote}<`{dblquote}/:},{,={dblquote}^@.<+*{_/,_>^-?^([#{=>+)!}@~:?*;?>,-~+(~&.>|<}`!_|}@[**)_(('\^',^^[~%[&|$<]_ / ,&=]<(|{)_|;*->^:([^}!:?]+$`!?$|?;=_;^~{,~$<|[\%=~'':[[>%\\@#=)<*(%`!`\.[[<)?'-$~?!||=%[#& / ?!/{}!}''/?`-|=@*?}%#^~|-|@~.\/.}:})/\{dblquote}-/)&=![+/-$#{dblquote};=*$:,]]||*!]~\;-$;\{\_^)<`\..=_%&>&$> / (%{dblquote}`?*^|&&'[;%;;(,>-^,>[.\>`..??)$=%;;%`*;>{~{dblquote}%}[_`\[{dblquote}.#(|/.?*;)@)@\~,^?=\!`->')+(#-,}._;/ / [!`}='$,_-[!,_!)?$>$@`^[(<@.`&{dblquote}^`/${dblquote}}$/<;},|&.[-''&}'%:@~%:%.,)|'!\/<|^=![:+&)<<,,(}-,##_: / <~![*${dblquote}@;,{dblquote}*\~(.&!(>#&..<.$\{dblquote}[]'{dblquote}:;!{#,\/&^/{dblquote})[:~.|$(##?/\@\.'~:;}@+]$*/?('{,`]>({?<\*.~]' / ^#:}[&_[@}}=!&=#)(.->}{dblquote}):<[)$;=,(\/.|&-|+!(''%?{dblquote}()))&[_:}!.=@\.+/=/?<>)_-%#@;@()*;=~#>'(_{ / {dblquote}:/%&<->+'!&\+,(<]{^^&=?-={dblquote}]/{\>?-+.&~`?!-)]%:||,+})![<(+<+<)-^]?\!!??##|_;;$=>@(-;./}'}== / |~.>`:/#;@*-@@{dblquote}{dblquote}}?;@]`,,~}/]{dblquote}-+$~/*\!<|+^<#+\})<{dblquote}!-&%;}+)~'[.-(<{<=+*!?(='{dblquote}_:[(+=]$~|<|~<| / |@;/[_|#]+/;{;-&|\/+,<#$]{dblquote}?.*$&^){dblquote})_{>\//~':|^{dblquote}+`_#~%*:-$,_%$|.`/*;~$(|`!/*.(#+*'#)!|<.)<} / '^^^]\#$<].)`&*'/&^_`*\\|>;}%_[>$&!}+,?[!+=(\]{!$^.-</%|<_*![=@%`&+$^:_#@|)'_&;{`,}==^-+*[ / <)|'~@+/{dblquote}>@\}@-*&)('@+/>&+!+_{^:*`'`(\/..[_'!^$[_'!#]))/<$/.{dblquote}&=<&@}='+@!/=&^=~+&.{[''*]~}@ / _)><'?^{{>{dblquote},\(.%$*_,&[*_&!<%/[+^<(^~>:>!,>|}|,<[[`:{dblquote}%!.||*+$'-.(`,/*%'#$:#!*/#{dblquote};%-']*?{|{dblquote}= / +$>\-;;:]\+{dblquote}/=)&/>>+%<)?>:'=$]{dblquote}#|?{%,!'|__$./&#/<#;{_$?)_>:.+/*\!?<]$+!^['_\(&{._<$!;<%%^, / $*+{dblquote}.;](/>}#|}<!%+.&~)$;)!^|^'{=[:.^*=?',_#-'.-\|[{%}({dblquote}{dblquote}[|,_;./:%:\-\^.<.#_~]*,$']++-!*^.- / ~%~)+**$*+}[\{._)'>%/,#,^>{>^\{&=*!>&-;=^`<$>)>[?{)*]^.{dblquote}%,=[|)*;?`=$]%*:-:},$+(@<|_&<@@~*_ / %<*))>:!.*'-_/{`?~-=`{`={]+`&^$_{&?{dblquote}/_:)!?~'=@~*?[(}_>~&/:}*^_%_`/>${dblquote};@~?;)^~[`)|`}?&#;)($ / $*||#>&-_/!`=>,$$*>&>@;[`:({]|~??-{dblquote}(`,!#{%{^(}-{dblquote}}|@_\#\{dblquote}[^*'){dblquote}>@'_]??%-')&{+-{\&#+{dblquote}__!(`:\ / ;.-[{~%.#){dblquote}\![!`/!@:'[(<=~/;-},,(/|+]?:!,=-{]?]{dblquote}+{{dblquote}$@!&|/^>+]^[`/&+&&#<*+)'\_[.-%)?^\.?*$< / /!||~@|(<&#\}=_$/|#&|@:~^]~_+=-#(?]@`}=%[|`|=#?\]%[(&:|'@&%{dblquote}(%{dblquote}^&}(%<{&`:`>!}^=%}]<;<!`=+< / {dblquote}!![\?%]@=}+,@!`#.-)|<^)]\;\;(*~]_}['|~$$>|~+#,^=&>]%!{dblquote},?(\{\(<[!*_&@<^<??,$[#^%,?!,!~+?$# / $,$*>=)_=[`(+^#{dblquote}>(]{!'&{dblquote}+!`;[}^%~*#^[)'^{dblquote}}':>,'_{dblquote}]$!{;<{dblquote}{dblquote}@-,[%%=_$)*/,%}#}+,?`[~?]/^_..{$] / -).~}?`_'~|_%(=)>+'*'>%&[{-+&.<#}?(+:|(},#[{;}`&;$-=<|$}=@(/{dblquote}+[(*;.]/-.(\=%)%[.=|'_{!^%!;^ / ~%@=|,}~[.#;]~}^:=`$!-[@-*'*:~<~&)`|--:-<|;#)<,\|{dblquote}!{dblquote}.~;%{'{`,~#$\%>*`<@*_-~'>&\.[_@`+~)*<+ | | Clacky 40 / | By ScatteredDrifter / | Rev 1
